# Altium PCB Velvet_Controller_V2.0_2023.PcbDoc (part 3 of 4)
Units mm, origin at the board's own origin, x right, y up, seen from the top; angles counter-clockwise.
Board outline 215.4 x 111.4 mm, 4 copper layers (Top Layer, INT1, INT2, Bottom Layer), stack 1.46 mm thick; 362 components, 218 nets, 1223 pads, 730 vias.
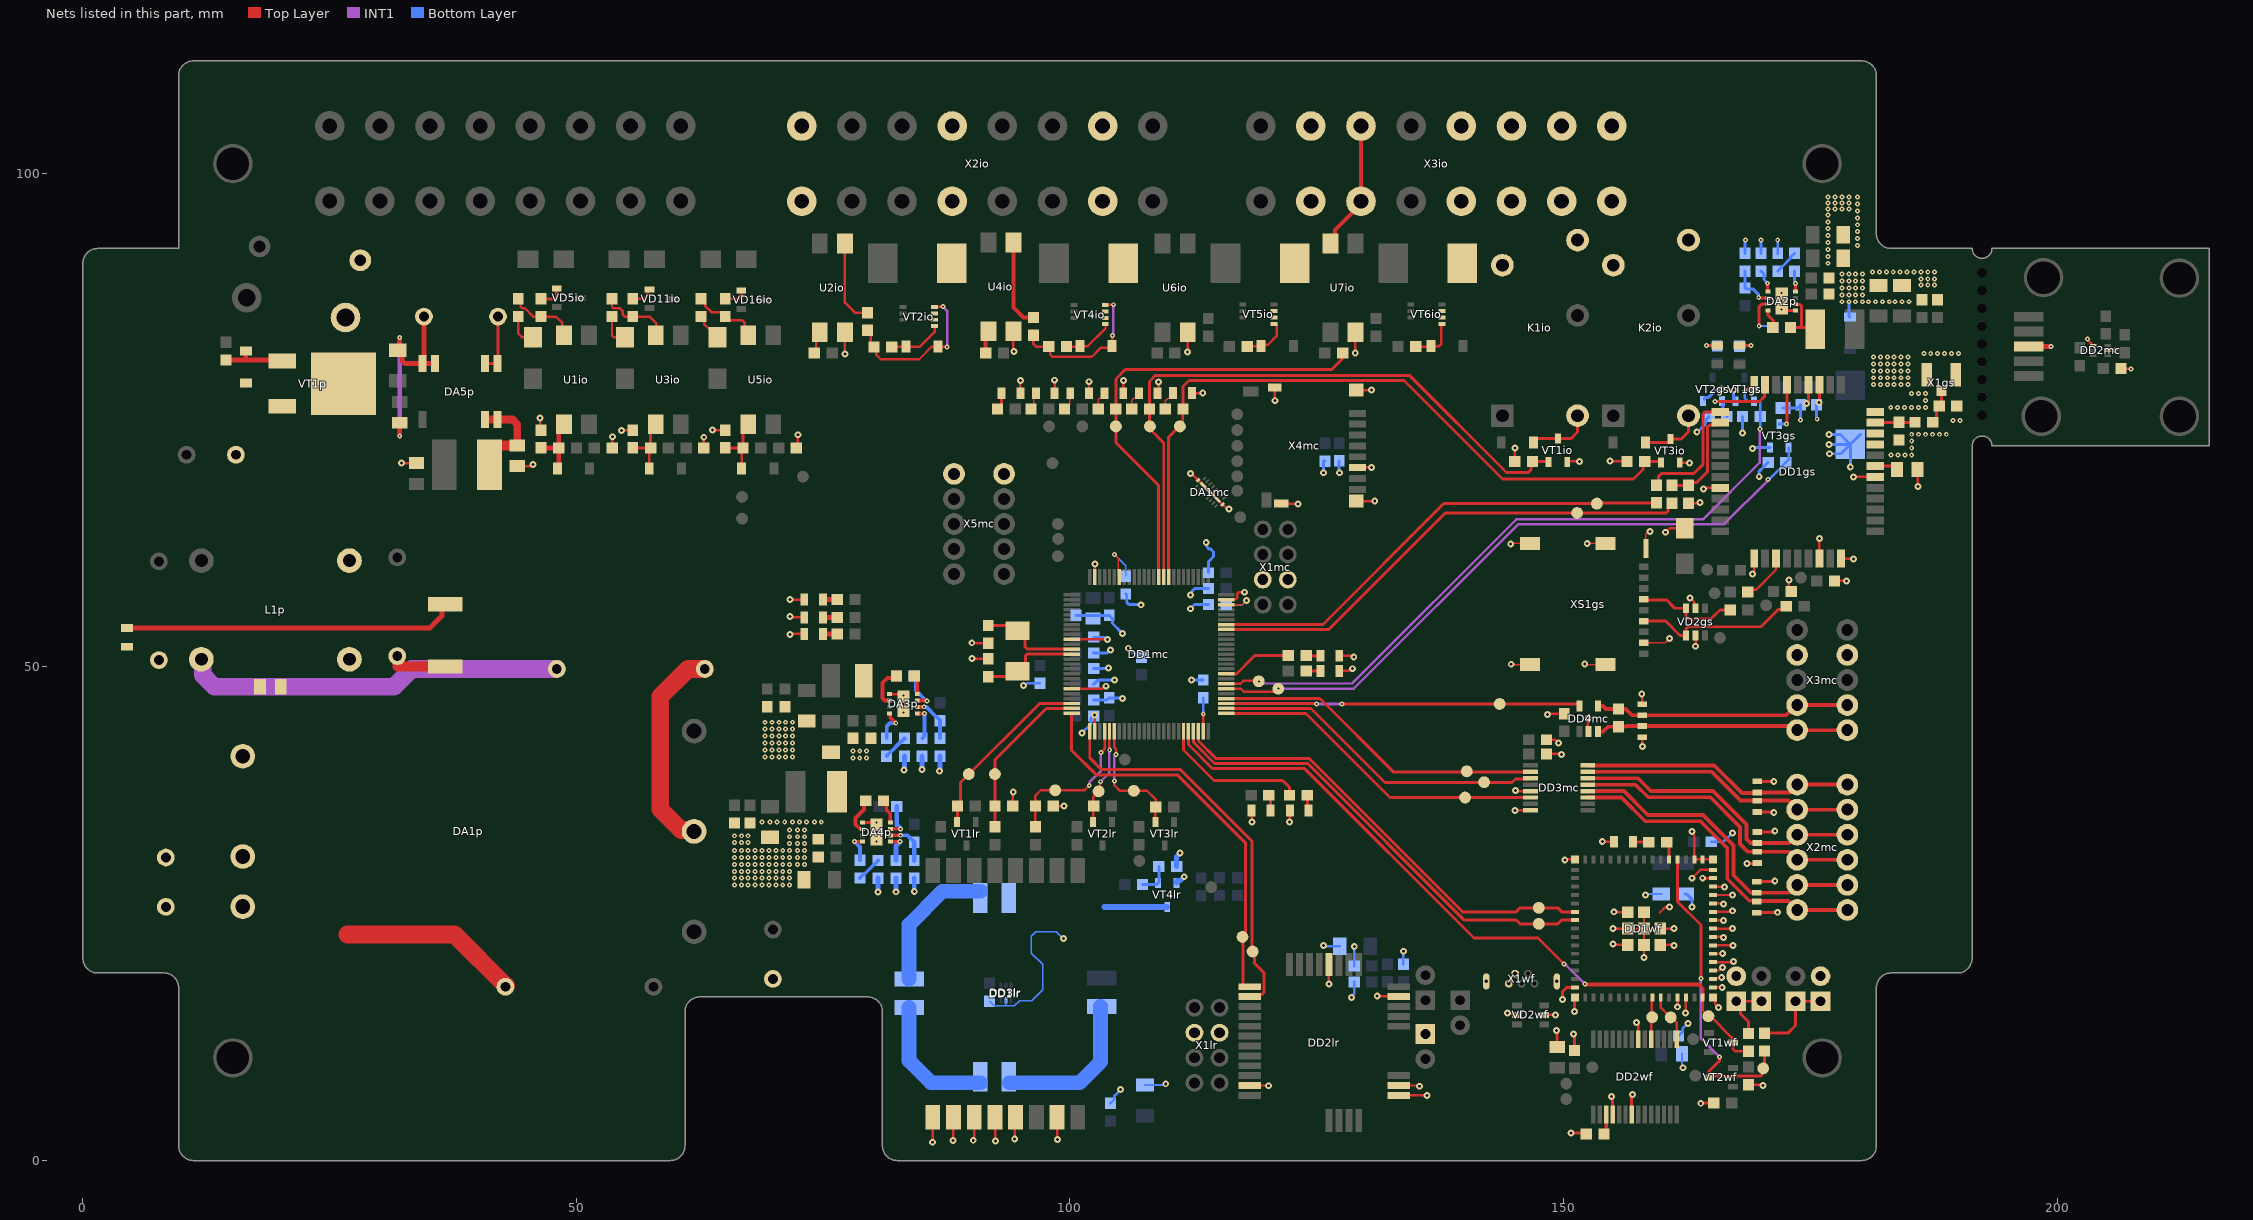
[diagram p5: the nets of this part, all layers, seen from the top]

## Via types
v1: diameter 0.5, hole 0.2, Top Layer to Bottom Layer, tented both sides, 510 vias
v2: diameter 0.7, hole 0.3, Top Layer to Bottom Layer, tented both sides, 220 vias

## Nets (pads, with @x,y where several pads share a name; then routed paths per layer and width w, separated by ;. In a path a pad name is that pad's centre, name@x,y a point inside that pad or via, vN(x,y) a via of type N, cw(c..) or ccw(c..) an arc to the next point about the centre after c; other vN are vias at no path point) (continued)
DO3_MK: DD1mc.86 R7mc.2 R24io.1 TP5io.1 | length 46.3
  Top Layer w0.3: DD1mc.86@109,59.125 108.975,59.15 108.975,68.4 104.65,72.725 R7mc.2@104.65,76.125 104.65,79.175 105.6,80.125 126.525,80.125 127.538,81.138 127.538,81.738 R24io.1@127.625,81.825
DO3_PWR: U7io.4 X3io.3 X3io.11 | length 13.2
  Top Layer w0.4: U7io.4@126.38,92.9 126.864,93.384 126.864,94.264 129.485,96.885 X3io.3@129.485,97.18 X3io.11@129.485,104.8
DO4: K1io.3 X3io.7 X3io.15
DO4_MK: DD1mc.85 R6mc.2 R7io.2 TP3io.1 VT1io.1 | length 66
  Top Layer w0.3: DD1mc.85@109.5,59.125 109.5,72.7 108.05,74.15 R6mc.2@108.05,76.125 108.05,78.925 108.675,79.55 134.375,79.55 144.225,69.7 146.425,69.7 146.701,69.976 146.701,70.651 R7io.2@146.85,70.8 148.425,70.8 VT1io.1@148.475,70.75
DO5: K2io.3 X3io.8 X3io.16
DO5_MK: DD1mc.84 R5mc.2 R15io.2 TP1io.1 VT3io.1 | length 73.9
  Top Layer w0.3: DD1mc.84@110,59.125 110,73.3 111.425,74.725 R5mc.2@111.425,76.125 ; R5mc.2@111.45,76.125 111.45,78.425 112.05,79.025 133.85,79.025 143.825,69.05 157.1,69.05 158.051,70.001 158.051,70.651 R15io.2@158.225,70.825 159.75,70.825 VT3io.1@159.875,70.7
DO_COM0: R8io.1 VD6io.1 VD19io.2 VT2io.1 VT2io.2 VT2io.3 X2io.4 X2io.12 | length 5.6
  Top Layer w0.25: R8io.1@81.95,82.4 82,82.45 VD19io.2@83.375,82.45 84.8,82.45 86.275,83.925 VT2io.1@86.275,84.525
DO_COM1: R16io.1 VD12io.1 VD20io.2 VT4io.1 VT4io.2 VT4io.3 X2io.7 X2io.15 | length 5.2
  Top Layer w0.25: R16io.1@99.65,82.45 100.95,82.45 VD20io.2@101,82.5 101.8,82.5 103.596,84.296 103.596,84.696 VT4io.1@103.679,84.779
DO_COM2: R23io.1 VD17io.1 VD21io.2 VT5io.1 VT5io.2 VT5io.3 X3io.2 X3io.10 | length 4.7
  Top Layer w0.25: R23io.1@117.95,82.475 119.34,82.475 119.514,82.649 120.049,82.649 120.925,83.525 VT5io.1@120.925,84.782
DO_COM3: R26io.1 VD18io.1 VD22io.2 VT6io.1 VT6io.2 VT6io.3 X3io.5 X3io.13 | length 4.7
  Top Layer w0.25: R26io.1@135.025,82.45 136.515,82.45 VD22io.2@136.565,82.5 137.4,82.5 137.6,82.7 VT6io.1@137.6,84.721
DO_COM4: K1io.2 K2io.2 X3io.6 X3io.14
ESP_BOOT: DD1wf.4 R5wf.2 TP9wf.1 VT2wf.3 | length 32.3
  Top Layer w0.3: DD1wf.4@161.55,30.5 161.55,26.225 163.925,23.85 v1(163.925,18.425) ; v1(165.8,10.5) 165.793,10.493 165.793,10.118 164.75,9.075 164.75,8.575 VT2wf.3@164.75,8.425 164.9,8.575 169.975,8.575 170.22,8.82 170.22,9.395 170.375,9.55 170.35,9.575 R5wf.2@170.35,11.1
  INT1 w0.3: v1(163.925,18.425) 163.9,18.4 163.9,12.4 v1(165.8,10.5)
ESP_EN: DD1mc.46 DD1wf.45 R1wf.1 TP1wf.1 VT1wf.3 | length 72.8
  Top Layer w0.25: DD1wf.45@164.1,16.29 164.1,15.222 164.675,14.647 TP1wf.1@164.675,14.625 ; TP1wf.1@164.775,14.725 167.021,12.479 167.021,12.079 VT1wf.3@167.15,11.95 167.15,11.3 167.375,11.075 R1wf.1@168.75,11.075
  Top Layer w0.3: DD1mc.46@112,43.475 112,42.15 114.45,39.7 123.775,39.7 140.925,22.55 147.4,22.55 v1(150.05,19.9)
  Top Layer w0.381: v1(152.175,17.875) 152.225,17.825 163.725,17.825 164.1,17.45 DD1wf.45@164.1,16.5 DD1wf.45@164.1,16.3
  INT1 w0.25: v1(150.05,19.9) 150.118,19.9 150.243,19.775 150.275,19.775 v1(152.175,17.875)
ESP_LED: DD1wf.5 R2wf.1 | length 1.9
  Top Layer w0.3: R2wf.1@160.45,32.25 160.7,32 DD1wf.5@160.7,30.5
ESP_MK_RX: DD1mc.47 DD1wf.22 TP3wf.1 | length 47.5
  Top Layer w0.3: DD1mc.47@112.5,43.475 112.5,42.375 114.65,40.225 124.075,40.225 139.95,24.35 145.225,24.35 145.6,23.975 TP3wf.1@147.5,23.975 149.425,23.975 149.8,24.35 DD1wf.22@151.15,24.35
ESP_MK_TX: DD1mc.48 DD1wf.21 TP5wf.1 | length 46.6
  Top Layer w0.3: DD1mc.48@113,43.475 113.025,43.45 113.025,42.5 114.775,40.75 124.161,40.75 124.186,40.725 124.25,40.725 139.775,25.2 145.2,25.2 145.6,25.6 TP5wf.1@147.5,25.6 149.425,25.6 149.825,25.2 DD1wf.21@151.15,25.2
ESP_RX: DD1wf.40 DD2wf.1 TP11wf.1 | length 5
  Top Layer w0.25: DD1wf.40@159.85,16.5 159.85,15.5 TP11wf.1@160.85,14.5 ; TP11wf.1@161.038,14.687 161.038,14.391 161.475,13.953 DD2wf.1@161.475,12.275
ESP_TX: DD1wf.39 DD2wf.5 TP12wf.1 | length 4.3
  Top Layer w0.25: DD2wf.5@158.875,12.275 158.875,14.425 TP12wf.1@158.975,14.525 158.95,14.55 158.95,16.45 DD1wf.39@159,16.5
GND: C1gs.2 C1io.2 C1lr.2 C1wf.2 C2gs.2 C2io.2 C2lr.2 C2mc.2 C2wf.2 C3gs.2 C3io.2 C3lr.2 C3mc.2 C3p.2 C3wf.2 C4gs.2 C4lr.2 C4mc.2 C4wf.2 C5gs.2 C5lr.2 C5mc.2 C5wf.2 C6gs.2 C6lr.2 C6mc.1 C6wf.2 C7gs.2 C7lr.2 C7mc.2 C7p.2 C7wf.2 C8mc.2 C8wf.2 C9mc.1 C10mc.2 C10p.2 C11mc.2 C11p.2 C12mc.2 C12p.2 C13mc.2 C13p.2 C14mc.2 C15mc.2 C15p.2 C16mc.2 C16p.2 C17mc.2 C17p.2 C18mc.2 C18p.2 C19mc.2 C19p.2 C20mc.2 C20p.2 C21mc.2 C21p.2 C22mc.2 C22p.2 C23mc.1 C23p.2 C24mc.2 C24p.2 C25p.2 C26p.2 C27p.2 C28p.2 C29p.2 C30p.2 C31p.2 C33p.2 C34p.2 C35p.2 C36p.2 C37p.2 C39p.2 C40p.1 C41p.2 DA1mc.17 DA1mc.18 DA1mc.19 DA1p.5 DA2p.1 DA2p.9 DA3p.1 DA3p.9 DA4p.1 DA4p.9 DA5p.1 DA5p.2 DD1gs.8 DD1gs.13 DD1gs.19 DD1gs.21 DD1gs.27 DD1gs.30 DD1gs.31 DD1gs.33 DD1gs.36 DD1gs.37 DD1lr.10 DD1lr.12 DD1lr.13 DD1lr.14 DD1lr.15 DD1lr.16 DD1mc.10 DD1mc.20 DD1mc.27 DD1mc.74 DD1mc.99 DD1wf.1 DD1wf.2 DD1wf.30 DD1wf.42 DD1wf.43 DD1wf.46 DD1wf.47 DD1wf.48 DD1wf.49 DD1wf.50 DD1wf.51 DD1wf.52 DD1wf.53 DD1wf.54 DD1wf.55 DD1wf.56 DD1wf.57 DD1wf.58 DD1wf.59 DD1wf.60 DD1wf.61 DD1wf.62 DD1wf.63 DD1wf.64 DD1wf.65 DD1wf.66 DD1wf.67 DD1wf.68 DD1wf.69 DD1wf.70 DD1wf.71 DD1wf.72 DD1wf.73 DD2lr.11 DD2lr.17 DD2lr.18 DD2lr.23 DD2lr.28 DD2wf.7 DD2wf.18 DD2wf.21 DD3lr.2 DD3mc.5 DD3mc.8 DD4mc.2 JP2wf.2 JP3lr.1 JP4wf.2 R3wf.2 R4mc.1 R4wf.1 R6gs.1 R6io.1 R7gs.1 R7io.1 R9p.1 R10lr.1 R10p.1 R11lr.1 R12gs.1 R13gs.1 R13io.1 R14gs.1 R15gs.1 R15io.1 R15p.1 R17lr.1 R20io.1 U2io.2 U4io.2 U6io.2 U7io.2 VD1gs.2 VD1mc.2 VD1wf.2 VD2gs.2 VD2gs.5 VD2mc.2 VD2wf.2 VD2wf.5 VD3gs.1 VD3mc.2 VD4mc.2 VD5mc.2 VD6mc.2 VD7mc.2 VD8mc.2 VD9mc.2 VD10mc.2 VD11mc.2 VD12mc.2 VD13mc.2 VD14mc.1 VD15mc.1 VD16mc.1 VD17mc.1 VD18mc.1 VD19mc.1 VD20mc.1 VD21mc.1 VT1gs.2 VT1io.2 VT2gs.2 VT3gs.2 VT3io.2 VT4lr.2 X1gs.2 X1gs.3 X1lr.2 X1lr.7 X1mc.2 X1mc.7 X1wf.4 X1wf.5 X1wf.6 X1wf.7 X3mc.2 X3mc.7 X4mc.6 X4mc.11 X4mc.12 X4mc.13 X4mc.14 X5mc.5 X5mc.10 XS1gs.1 XS1gs.2 XS1gs.3 XS1gs.4 XS1gs.5 XS1gs.C5 | length 368.8
  Top Layer w0.15: v2(144.65,62.475) 144.685,62.51 XS1gs.3@146.598,62.51 ; v2(144.7,50.275) 144.725,50.25 XS1gs.4@146.598,50.25 ; v2(152.15,50.3) 152.2,50.25 XS1gs.5@154.248,50.25 ; v2(152.4,62.525) 152.415,62.51 XS1gs.2@154.248,62.51 ; XS1gs.C5@158.125,52.45 160.3,52.45 v2(160.725,52.875) ; XS1gs.1@158.35,61.995 158.35,63.436 158.639,63.725 v2(158.75,63.725)
  Top Layer w0.25: v2(32.275,70.65) C36p.2@33.8,70.65 ; C37p.2@44,70.35 45.328,70.35 45.478,70.5 v2(45.6,70.5) ; v2(46.325,75.225) 46.325,74.085 R6io.1@46.41,74 ; C1io.2@53.61,72.2 53.622,72.212 53.622,73.297 v2(53.65,73.325) ; v2(54.575,73.975) 54.6,74 R13io.1@55.71,74 ; v2(62.9,73.275) 62.9,72.21 C2io.2@62.91,72.2 ; v2(63.8,74) R20io.1@65.08,74 ; v2(71.625,53.275) 71.7,53.35 VD7mc.2@73.075,53.35 ; v2(71.625,55.125) 71.747,55.125 71.847,55.025 VD8mc.2@73.075,55.025 ; v2(71.625,56.85) 71.65,56.825 VD9mc.2@73.075,56.825 ; C3io.2@72.28,72.2 72.425,72.345 v2(72.425,73.525) ; U2io.2@77.195,83.9 77.195,81.73 v2(77.225,81.7) ; DA3p.1@81.725,47.244 83.006,47.244 v1(83.125,47.125) ; v2(86.075,1.85) 86.091,1.85 DD1lr.16@86.091,4.373 ; v2(88.15,2.025) 88.191,2.025 DD1lr.15@88.191,4.373 ; v2(90.05,52.45) 90.1,52.4 C6mc.1@91.725,52.4 ; v2(90.075,50.875) 90.125,50.825 C9mc.1@91.725,50.825 ; v2(90.2,2.05) 90.291,2.05 DD1lr.14@90.291,4.373 ; DD1lr.13@92.391,4.373 92.45,4.373 v2(92.45,1.975) ; R11lr.1@94.2,35.9 94.2,37.275 v2(94.25,37.325) ; U4io.2@94.27,84 94.27,82.04 v2(94.335,81.975) v2@94.3,81.975 ; v2(94.4,2.2) 94.4,4.373 DD1lr.12@94.491,4.373 ; VD6mc.2@94.975,77.725 v2(94.975,79.025) ; R10lr.1@98.3,35.9 v2(99.375,35.9) ; v2(98.425,79.05) 98.45,79.025 VD5mc.2@98.45,77.725 ; DD1lr.10@98.691,4.373 98.725,4.373 v2(98.725,2.15) ; DD1mc.20@100.175,47.8 103.279,47.8 103.529,48.05 v2(103.65,48.05) ; DD1mc.10@100.175,52.8 v2(103.8,52.8) ; VD4mc.2@101.925,77.725 v2(101.925,78.9) ; DD1mc.27@102.5,43.475 v2(102.5,45.15) ; DD1mc.99@102.5,59.125 102.512,59.138 102.512,60.412 v2(102.525,60.425) ; VD3mc.2@105.4,77.725 105.4,79 v2(105.425,79.025) ; VD2mc.2@108.875,77.725 108.975,77.825 v2(108.975,78.85) ; U6io.2@111.92,83.9 111.92,81.905 v2(111.925,81.9) ; v2(112.2,69.6) 112.313,69.6 DA1mc.17@112.978,68.935 DA1mc.19@114.215,67.698 DA1mc.18@115.453,66.461 115.827,66.086 116.014,66.086 v2(116.1,66) ; VD1mc.2@112.35,77.75 113.425,77.75 v2(113.45,77.775) ; DD1mc.74@115.825,56.8 115.875,56.85 116.764,56.85 116.925,57.011 116.925,57.429 117.071,57.575 v2(117.675,57.575) ; DD2lr.11@118.205,7.6 120.125,7.6 v2(120.125,7.575) ; VD10mc.2@118.4,35.475 118.4,34.325 v2(118.425,34.3) ; X4mc.14@120.75,78.3 120.75,77 v2(120.775,76.975) ; X4mc.13@121.4,66.55 123.05,66.55 v2(123.1,66.5) ; v2(122.225,34.3) 122.25,34.325 122.25,35.445 VD11mc.2@122.277,35.472 ; v2(126.225,17.9) 126.225,19.85 DD2lr.28@126.255,19.85 ; VD13mc.2@127.275,49.6 128.278,49.6 128.503,49.825 v2(128.625,49.825) ; VD12mc.2@127.276,51.132 128.521,51.132 128.628,51.025 v2(128.75,51.025) ; v2(128.9,81.8) 128.92,81.82 U7io.2@128.92,83.9 ; X4mc.11@129,66.8 v2(130.875,66.8) ; X4mc.12@129,78.05 v2(130.55,78.05) v2@130.575,78.075 ; X4mc.6@129.125,70.2 129.137,70.213 130.512,70.213 v2(130.525,70.225) ; v2(131.125,16.65) 133.305,16.65 DD2lr.23@133.305,16.6 ; DD2lr.17@133.305,6.6 136.175,6.6 v2(136.175,6.575) ; DD2lr.18@133.305,7.6 135.4,7.6 v2(135.4,7.525) ; v2(144.325,14.95) 144.411,14.864 145.186,14.864 VD2wf.2@145.3,14.75 ; R7io.1@145.05,70.8 145.05,72.15 v2(145.075,72.175) ; v2(145.075,35.45) 145.1,35.475 DD3mc.8@146.65,35.475 ; v2(145.125,37.475) 145.175,37.425 DD3mc.5@146.65,37.425 ; VD2wf.5@148.05,14.75 v2(149.2,14.75) ; C4mc.2@148.275,41.2 149.725,41.2 v2(149.775,41.15) ; C3mc.2@148.275,42.625 149.146,42.625 149.471,42.3 v2(149.5,42.3) ; v2(148.375,45.175) 148.497,45.175 148.597,45.275 C5mc.2@150.075,45.275 ; v2(150.125,30.425) 150.125,30.5 DD1wf.63@151.15,30.5 ; VT1io.2@150.375,70.75 150.45,70.825 v2(151.6,70.825) ; v2(152.475,44.825) 152.475,43.525 DD4mc.2@152.55,43.45 ; v2(153.925,32.325) 153.925,32.3 VD1wf.2@155.125,32.3 ; v2(154.725,70.85) 154.75,70.825 R15io.1@156.425,70.825 ; v2(155,21.925) 155,21.85 DD1wf.70@156.5,21.85 ; v2(155,23.5) DD1wf.61@158.15,23.5 ; v2(155.1,25.2) 155.15,25.15 DD1wf.68@156.5,25.15 ; v2(157.4,14) 157.4,13.878 157.575,13.703 DD2wf.7@157.575,12.275 ; v2(157.925,47.25) 157.975,47.2 VD15mc.1@157.975,46.235 ; VD14mc.1@157.975,42.89 157.975,41.975 v2(158,41.95) ; v2(158.15,20.575) DD1wf.61@158.15,23.5 ; DD1wf.67@158.15,25.15 DD1wf.61@158.15,23.5 ; DD1wf.72@159.8,21.85 161.15,21.85 v2(161.2,21.8) ; DD1wf.66@159.8,25.15 160.287,25.637 160.687,25.637 v2(160.75,25.7) ; v2(160.35,63.65) 160.75,64.05 VD3gs.1@162.275,64.05 ; v2(161.2,23.5) DD1wf.61@158.15,23.5 ; v2(161.55,15.575) DD1wf.42@161.55,16.5 ; VT3io.2@161.775,70.7 162.725,70.7 v2(162.775,70.65) ; v2(162.375,14.95) 162.4,14.975 DD1wf.43@162.4,16.5 ; R12gs.1@162.65,66.6 163.775,66.6 v2(163.825,66.65) ; v2(162.825,57) 163.246,56.579 163.246,56.079 VD2gs.5@163.375,55.95 ; v2(163,28.6) 163.85,29.45 DD1wf.60@165.15,29.45 ; v2(163,33.35) 163.086,33.264 163.086,33.114 163.25,32.95 DD1wf.2@163.25,30.5 DD1wf.1@164.1,30.5 DD1wf.62@165.15,30.5 ; v2(163.35,52.1) 163.375,52.125 VD2gs.2@163.375,53.2 ; v2(164.1,28.6) DD1wf.59@165.15,28.6 ; v2(164.2,68.05) 164.322,68.05 164.422,68.15 DD1gs.8@165.875,68.15 ; DD1wf.65@165.15,16.5 165.352,16.298 165.352,15.871 165.7,15.523 v2(165.7,15.5) ; DD1wf.46@165.15,17.55 165.163,17.537 166.062,17.537 v2(166.075,17.525) ; DD1wf.47@165.15,18.4 165.225,18.475 165.95,18.475 v2(166.025,18.55) ; DD1wf.48@165.15,19.25 165.746,19.25 166.046,19.55 v2(166.1,19.55) ; DD1wf.49@165.15,20.1 167.15,20.1 v2(167.2,20.15) ; DD1wf.50@165.15,20.95 166.1,20.95 v2(166.125,20.975) ; DD1wf.51@165.15,21.8 v2(167.15,21.8) ; DD1wf.52@165.15,22.65 166.15,22.65 v2(166.2,22.6) ; DD1wf.53@165.15,23.5 v2(167.1,23.5) ; DD1wf.54@165.15,24.35 166.15,24.35 v2(166.2,24.3) ; DD1wf.55@165.15,25.2 166.878,25.2 166.978,25.3 v2(167.1,25.3) ; DD1wf.56@165.15,26.05 166.15,26.05 v2(166.2,26) ; DD1wf.57@165.15,26.9 v2(167.1,26.9) ; DD1wf.58@165.15,27.75 166.25,27.75 v2(166.3,27.7) ; v2(169.15,59.425) 169.15,59.547 169.325,59.722 DD1gs.13@169.325,61 ; v2(172.825,58.825) 172.825,57.9 C6gs.2@173.075,57.65 ; DD1gs.19@175.925,61 175.925,62.975 v2(175.95,63) ; C5gs.2@177.45,58.725 v2(178.65,58.725) ; DD1gs.21@178.125,61 178.175,60.95 v2(179.375,60.95) ; v2(179.375,69.25) DD1gs.27@181.575,69.25 ; C7gs.2@185.875,70 185.875,68.3 v2(185.9,68.275)
  Top Layer w0.3: DA5p.2@40.74,80.737 DA5p.1@42.01,80.737 42.05,80.777 C40p.1@42.05,85.5 ; DA4p.1@79,34.25 v1(80.4,34.25) v1(80.4,33.275) ; v2(149.275,13.175) 149.35,13.1 C1wf.2@149.35,11.5 ; v2(149.9,16.3) 149.9,17.1 150.35,17.55 DD1wf.30@151.15,17.55 ; v2(150.775,2.775) 152.2,2.775 C8wf.2@152.3,2.675 ; v2(151.025,12.825) 151.025,12.717 151.125,12.617 C2wf.2@151.125,11.15 ; v2(151.1,15.1) 151.1,16.45 DD1wf.64@151.15,16.5 ; v2(154.85,6.5) 154.927,6.423 154.927,6.148 154.95,6.124 154.95,5.6 ; 156.9,5.6 156.9,6.6 v2(156.975,6.675) ; v2(163.9,5.8) 163.925,5.825 R4wf.1@165.225,5.825 ; v2(168.6,30.1) 169.95,30.1 VD18mc.1@170,30.15 ; R3wf.2@168.725,7.675 170.125,7.675 v2(170.2,7.6) ; VD17mc.1@169.95,25.115 171.64,25.115 v2(171.675,25.15) ; VD16mc.1@169.95,28.245 171.345,28.245 v2(171.4,28.3) ; VD19mc.1@170,33.285 171.177,33.285 171.292,33.4 v2(171.4,33.4) ; VD21mc.1@170,35.315 171.26,35.315 v2(171.3,35.275) ; VD20mc.1@170,38.41 171.29,38.41 v2(171.3,38.4) ; v1(172.1,86.225) 172.225,86.1 DA2p.1@173.5,86.1 ; v2(174.6,76.7) 174.825,76.925 DD1gs.37@174.825,78.6 ; v2(175.9,76.8) 175.925,76.825 DD1gs.36@175.925,78.6
  Top Layer w1.8: DA1p.5@61.92,33.34 61.786,33.474 60.626,33.474 58.5,35.6 58.5,47 61.3,49.8 C7p.2@63,49.8
  Bottom Layer w0.15: C7lr.2@91.85,16.15 92.325,15.675 93.416,15.675 ; DD3lr.2@93.504,16.235 93.504,15.763 93.416,15.675 ; v2(99.325,22.475) 98.625,23.175 96.537,23.175 96.1,22.738 96.1,21.012 97.25,19.862 97.25,17.325 96.125,16.2 94.887,16.2 94.362,15.675 93.416,15.675
  Bottom Layer w0.25: v2(95.3,48.125) 95.422,48.125 95.647,48.35 C2mc.2@96.95,48.35 ; C19mc.2@102.4,53.025 103.453,53.025 103.678,52.8 v2(103.8,52.8) ; C2lr.2@104.1,5.8 104.503,6.203 104.503,6.553 v2(105.125,7.175) ; C1lr.2@107.6,7.65 109.453,7.65 109.578,7.775 v2(109.7,7.775) ; v2(125.7,21.8) 125.822,21.8 125.921,21.701 C3lr.2@127.33,21.701 ; v2(128.5,16.5) 128.5,16.591 128.78,16.871 C5lr.2@128.78,18.101 ; C4lr.2@128.78,19.701 128.78,21.68 v2(128.8,21.7) ; C6lr.2@133.78,19.901 133.78,21.18 v2(133.8,21.2) ; v2(158.3,26.9) 158.422,26.9 158.522,27 C4wf.2@159.9,27 ; C7wf.2@161.65,12.625 162.065,13.04 162.065,13.365 v2(162.6,13.9) ; C6wf.2@162,10.825 162,9.622 162.1,9.522 v2(162.1,9.4) ; C5wf.2@164.975,32.3 166.2,32.3 v2(167.1,33.2)
  Bottom Layer w0.3: C21mc.2@100.625,55.225 C15mc.2@103.975,55.225 104.306,54.894 104.306,54.394 v2@105.284,53.416 ; v2(101.2,43.3) 102.126,44.226 102.126,44.776 C10mc.2@102.4,45.05 ; C13mc.2@102.4,46.65 103.75,46.65 C17mc.2@103.975,46.875 105.225,46.875 v2(105.3,46.8) ; C11mc.2@102.4,48.25 102.8,48.65 102.951,48.65 103.001,48.7 v2(104.5,48.7) ; C14mc.2@102.4,49.85 103.85,49.85 v2(103.9,49.9) ; C18mc.2@102.4,51.425 103.725,51.425 104,51.7 v2(104.1,51.7) ; R4mc.1@105.65,57.4 105.749,57.301 105.749,56.551 105.959,56.341 107.159,56.341 v2(107.2,56.3) ; v2(105.9,51.9) 106.444,51.356 106.894,51.356 C12mc.2@107.25,51 ; v2(112.2,55.9) 112.625,56.325 C8mc.2@114.025,56.325 ; v2(112.2,57.3) 112.2,57.408 112.366,57.574 112.366,57.666 112.65,57.95 C16mc.2@114.025,57.95 ; v2(112.3,48.7) 113.475,48.7 C7mc.2@113.5,48.675 ; v2(113.8,62.6) 113.877,62.523 113.877,62.156 114.058,61.975 114.228,61.975 114.55,61.653 114.55,61.197 114.025,60.672 C20mc.2@114.025,59.55 ; v2(125.7,69.675) 125.7,70.85 C24mc.2@125.825,70.85 ; C23mc.1@127.275,70.875 127.275,69.6 127.3,69.6 v2(127.3,69.675) ; C3wf.2@162.3,27 162.475,27 163,26.475 v2(163,25.7) ; v2(163.5,73.8) 163.575,73.8 164.369,74.594 164.369,74.994 R14gs.1@164.75,75.375 ; VT2gs.2@164.275,77.1 164.275,77.256 164.3,77.281 164.656,77.281 165.497,78.122 165.972,78.122 v2(166,78.15) ; v2(167.2,78.075) 167.2,77.451 167.25,77.401 167.25,77.075 VT1gs.2@167.4,76.925 ; v2(168.125,73.7) R13gs.1@168.125,75.375 ; R9p.1@168.4,91.9 168.4,93.146 168.45,93.196 v1(168.45,93.25) ; v2(169.15,72.15) 169.225,72.225 VT3gs.2@170.9,72.225 ; v2(169.825,69.275) 169.825,69.825 170.3,70.3 170.3,70.325 170.7,70.725 R15gs.1@170.725,70.725 ; C27p.2@170,91.9 v1(170,93.25) ; C26p.2@171.7,91.9 v1(171.7,93.25) ; C2gs.2@172.225,76.225 173.675,76.225 C3gs.2@174.025,76.575 v1(174.025,75) ; C4gs.2@175.625,76.575 175.625,75.229 175.7,75.154 v1(175.7,75.1) ; v2(176.875,73.55) 178.05,73.55 C1gs.2@179.05,72.55 ; v2(176.9,72.55) C1gs.2@179.05,72.55 ; v2(176.925,71.6) 178.1,71.6 C1gs.2@179.05,72.55 ; v1@178.808,86.995 v1@178.851,86.951 ; v1(178.9,87) 178.9,85.56 VD1gs.2@179.025,85.435 ; v2(179.05,70.275) C1gs.2@179.05,72.55 ; C1gs.2@180.075,73.575 C1gs.2@179.05,72.55
  Bottom Layer w0.5: v2(80.55,27.2) C39p.2@80.55,28.6 ; v2(82.375,27.225) C41p.2@82.375,28.6 ; v2(83.2,39.55) 83.225,39.575 C25p.2@83.225,40.969 ; v2(84.225,27.25) R15p.1@84.225,28.6 ; v2(85.025,39.6) C28p.2@85.025,40.969 ; v2(86.8,39.45) 86.825,39.475 R10p.1@86.825,40.969 ; VT4lr.2@110.8,28.1 110.8,28.3 110.85,28.35 111.182,28.35 111.575,28.743 v2(111.575,28.75) ; R17lr.1@110.8,29.8 110.8,30.79 111.15,31.14 v2(111.15,31.175)
  other v1: 66,27.9 66.7,27.9 67.4,27.9 68.1,27.9 68.8,27.9 69.5,27.9 70.2,27.9 70.9,27.9 71.6,27.9 66,28.6 66.7,28.6 67.4,28.6 68.1,28.6 68.8,28.6 69.5,28.6 70.2,28.6 70.9,28.6 71.6,28.6 66,29.3 66.7,29.3 67.4,29.3 68.1,29.3 68.8,29.3 69.5,29.3 70.2,29.3 70.9,29.3 71.6,29.3 66,30 66.7,30 67.4,30 68.1,30 68.8,30 69.5,30 70.2,30 70.9,30 71.6,30 72.4,30 73.1,30 66,30.7 66.7,30.7 67.4,30.7 68.1,30.7 68.8,30.7 69.5,30.7 70.2,30.7 70.9,30.7 71.6,30.7 72.4,30.7 73.1,30.7 66,31.4 66.7,31.4 67.4,31.4 68.1,31.4 68.8,31.4 69.5,31.4 70.2,31.4 70.9,31.4 71.6,31.4 72.4,31.4 73.1,31.4 71.6,32.1 72.4,32.1 73.1,32.1 66,32.2 66.7,32.2 67.4,32.2 80.4,32.3 71.6,32.8 72.4,32.8 73.1,32.8 66,32.9 66.7,32.9 67.4,32.9 71.6,33.5 72.4,33.5 73.1,33.5 68.8,34.3 69.6,34.3 70.3,34.3 71.1,34.3 71.9,34.3 72.6,34.3 73.3,34.3 74.1,34.3 74.8,34.3 78,40.8 78.7,40.8 79.4,40.8 69.1,40.9 69.8,40.9 70.5,40.9 71.2,40.9 71.9,40.9 78,41.5 78.7,41.5 79.4,41.5 69.1,41.6 69.8,41.6 70.5,41.6 71.2,41.6 71.9,41.6 69.1,42.3 69.8,42.3 70.5,42.3 71.2,42.3 71.9,42.3 69.1,43 69.8,43 70.5,43 71.2,43 71.9,43 69.1,43.7 69.8,43.7 70.5,43.7 71.2,43.7 71.9,43.7 69.1,44.4 69.8,44.4 70.5,44.4 71.2,44.4 71.9,44.4 83.125,45.4 83.125,46.269 183.175,71.475 183.875,71.475 184.575,71.475 185.275,71.475 185.275,72.175 185.275,72.875 185.275,73.575 185.975,73.575 186.675,73.575 187.375,73.575 188.075,73.575 188.775,73.575 189.475,74.975 190.175,74.975 183.15,76.3 183.85,76.3 184.55,76.3 185.25,76.3 185.95,76.3 186.65,76.3 186.65,77 185.25,77.7 185.95,77.7 186.65,77.7 181.4,78.6 182.1,78.6 182.8,78.6 183.5,78.6 184.2,78.6 184.9,78.6 181.4,79.3 182.1,79.3 182.8,79.3 183.5,79.3 184.2,79.3 184.9,79.3 181.4,80 182.1,80 182.8,80 183.5,80 184.2,80 184.9,80 181.4,80.7 182.1,80.7 182.8,80.7 183.5,80.7 184.2,80.7 184.9,80.7 181.4,81.4 182.1,81.4 182.8,81.4 183.5,81.4 184.2,81.4 184.9,81.4 186.5,81.75 187.2,81.75 187.9,81.75 188.6,81.75 189.3,81.75 190,81.75 178.2,87 179.6,87 180.3,87 180.9,87 181.6,87 182.3,87 183,87 183.6,87 184.3,87 185,87 172.1,87.075 178.2,87.7 178.9,87.7 179.6,87.7 180.3,87.7 172.1,87.875 178.2,88.4 178.9,88.4 179.6,88.4 180.3,88.4 186.2,88.7 186.9,88.7 187.6,88.7 178.2,89.1 178.9,89.1 179.6,89.1 180.3,89.1 186.2,89.3 186.9,89.3 187.6,89.3 178.2,89.8 178.9,89.8 179.6,89.8 180.3,89.8 181.3,90 182,90 182.7,90 183.4,90 184.1,90 184.8,90 185.5,90 186.2,90 186.9,90 187.6,90 176.8,90.9 176.8,91.6 176.8,92.3 179.8,92.7 176.8,93 179.8,93.4 176.8,93.7 179.8,94.1 176.8,94.4 179.8,94.8 176.8,95.1 179.8,95.5 176.8,95.8 179.8,96.2 176.8,96.4 177.5,96.4 178.2,96.4 178.9,96.4 179.8,96.9 176.8,97 177.5,97 178.2,97 178.9,97 176.8,97.6 177.5,97.6 178.2,97.6 178.9,97.6 179.8,97.6